# Altium PCB TIDA-010933-RevA.PcbDoc (part 5 of 9)
Units mm, origin at the board's own origin, x right, y up, seen from the top; angles counter-clockwise.
Board outline 230 x 230 mm, 4 copper layers (Top Layer, Layer 1, Layer 2, Bottom Layer), stack 1.637 mm thick; 776 components, 394 nets, 2295 pads, 2783 vias.
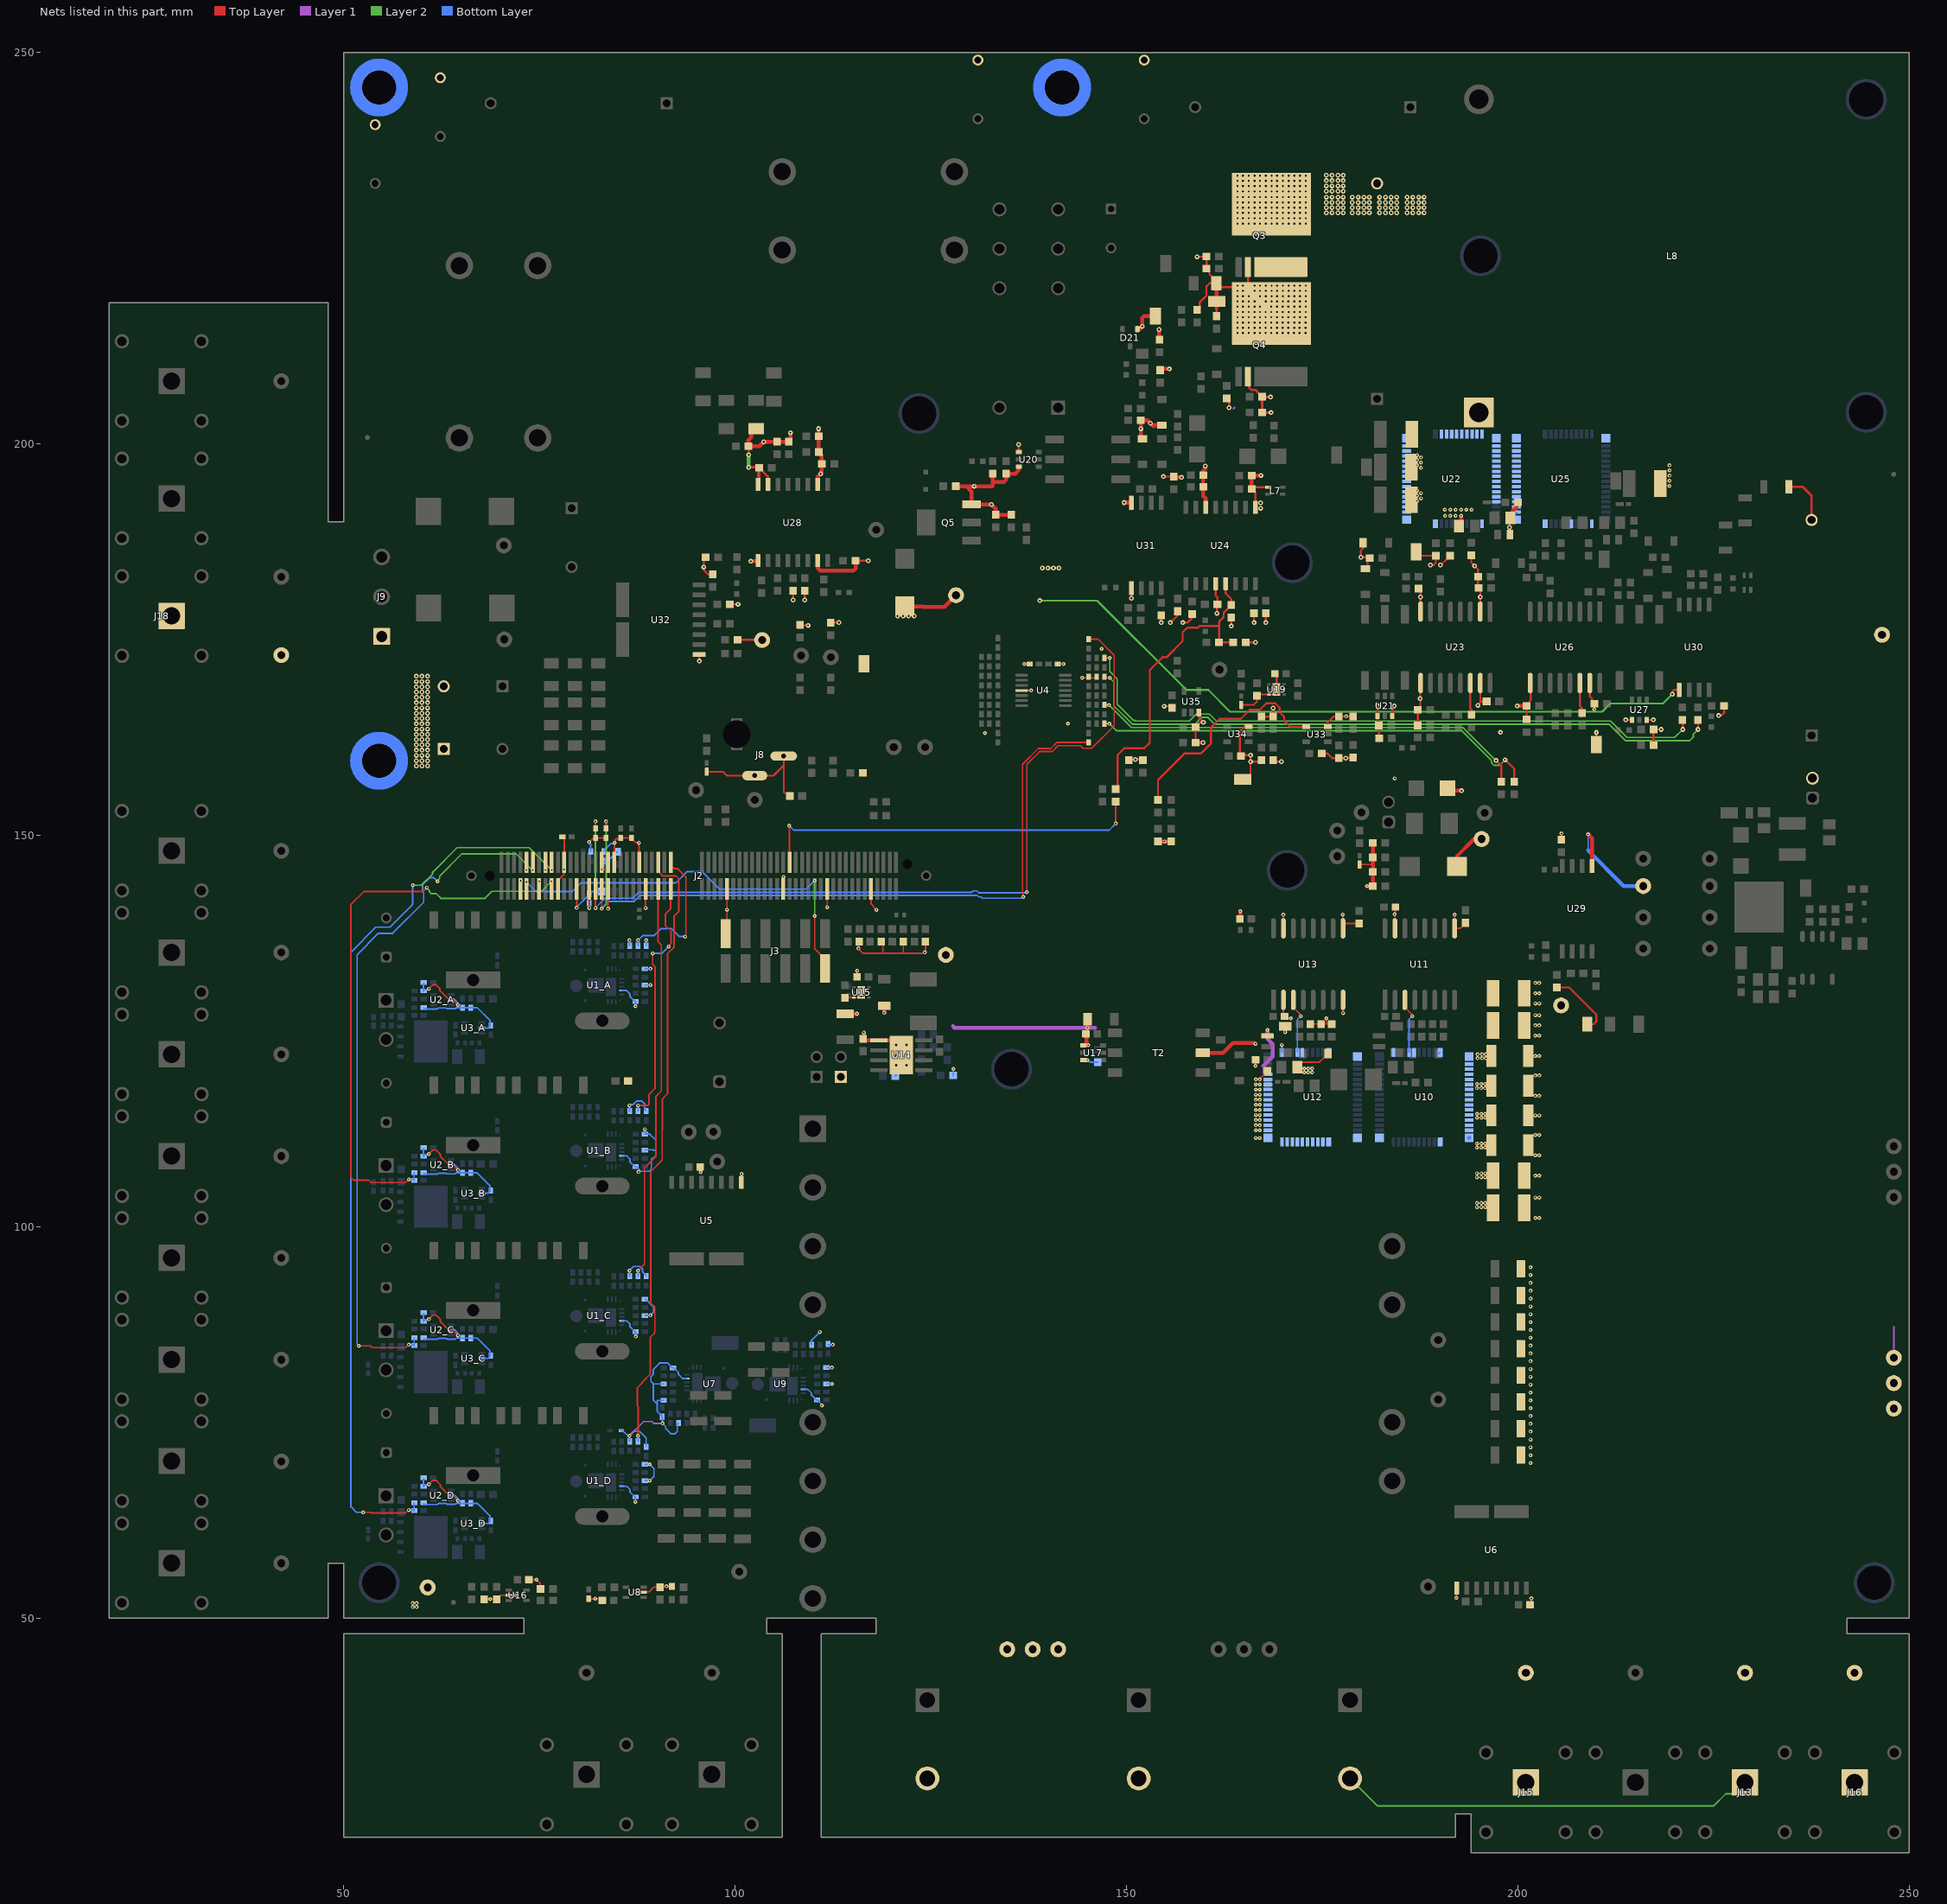
[diagram p7: the nets of this part, all layers, seen from the top]

## Via types
v1: diameter 0.5, hole 0.2, Top Layer to Bottom Layer, tented both sides, 1458 vias
v2: diameter 0.61, hole 0.254, Top Layer to Bottom Layer, tented both sides, 1311 vias
v3: diameter 0.63, hole 0.33, Top Layer to Bottom Layer, 6 vias
v4: diameter 0.5, hole 0.2, Top Layer to Bottom Layer, 4 vias
v5: diameter 0.61, hole 0.203, Top Layer to Bottom Layer, tented both sides, 4 vias

## Nets (pads, with @x,y where several pads share a name; then routed paths per layer and width w, separated by ;. In a path a pad name is that pad's centre, name@x,y a point inside that pad or via, vN(x,y) a via of type N, cw(c..) or ccw(c..) an arc to the next point about the centre after c; other vN are vias at no path point) (continued)
CS_BOOST2: C21_B.1 J2.17 R16_B.2 | length 73.4
  Top Layer w0.2: v1(58.3,106) 58.266,106 57.894,105.628 53.466,105.628 53.166,105.928 51.195,105.928 50.9,106.223 50.9,135.603 50.9,141.15 52.543,142.793 60.1,142.793 v1(60.6,143.293) ; v1(76.5,144.1) 76.521,144.079 76.521,143.143 J2.17@76.543,143.122
  Layer 2 w0.2: v1(60.6,143.293) 60.6,143.212 60.94,142.872 60.94,142.73 61.146,142.524 61.778,142.524 62.377,141.926 68.026,141.926 68.929,142.829 75.25,142.829 76.5,144.079 v1(76.5,144.1)
  Bottom Layer w0.2: v1(58.3,106) 58.8,106 R16_B.2@58.922,105.878 ; C21_B.1@58.95,106.85 58.972,106.828 R16_B.2@58.972,105.928
CS_BOOST3: C21_C.1 J2.12 R16_C.2 | length 90.1
  Top Layer w0.2: v1(51.9,84.75) 53.388,84.75 53.61,84.528 57.894,84.528 58.266,84.9 v1(58.3,84.9) ; v1(74.143,145.535) J2.12@74.143,146.522
  Layer 2 w0.2: v1(61.95,144.1) 61.95,144.181 62.233,144.464 62.233,144.767 65.066,147.6 72,147.6 74.065,145.535 v1(74.143,145.535)
  Bottom Layer w0.2: v1(51.9,84.75) 51.9,84.831 51.7,85.031 51.7,134.732 54.418,137.45 56.231,137.45 60.2,141.419 60.2,142.7 60.05,142.85 60.05,143.628 60.972,144.55 61.5,144.55 v1(61.95,144.1) ; v1(58.3,84.9) 58.8,84.9 R16_C.2@58.922,84.778 ; C21_C.1@58.95,85.75 58.972,85.728 58.972,84.828 R16_C.2@59,84.8
CS_BOOST4: C21_D.1 J2.18 R16_D.2 | length 115.3
  Top Layer w0.2: v1(52.474,63.5) 53.363,63.5 53.434,63.428 57.894,63.428 58.266,63.8 v1(58.3,63.8) ; v1(76.543,145.535) J2.18@76.543,146.522
  Layer 2 w0.2: v1(58.8,143.6) 59.878,143.6 61.333,145.055 61.333,145.267 64.466,148.4 73.678,148.4 v1(76.543,145.535)
  Bottom Layer w0.2: v1(52.474,63.5) 51.601,63.5 50.9,64.201 50.9,135.063 54.087,138.25 55.9,138.25 58.8,141.15 v1(58.8,143.6) ; v1(58.3,63.8) 58.8,63.8 R16_D.2@58.922,63.678 ; C21_D.1@58.95,64.65 58.972,64.628 58.972,63.728 R16_D.2@59,63.7
CS_CLLLC_PRI: C37.1 J2.25 R39.2 | length 6.7
  Top Layer w0.2: v1(79.743,140.712) J2.25@79.743,143.122
  Bottom Layer w0.2: v1(79.743,140.712) 79.8,140.77 79.8,140.871 80.929,142 80.954,142 81.354,142.4 C37.1@81.354,142.5 81.354,142.6 81.554,142.8 R39.2@82.943,142.8
CS_CLLLC_SEC: C38.1 J2.34 J2.36 R40.1 | length 6
  Top Layer w0.2: J2.34@82.943,146.522 v1(82.943,145.614) 83.626,145.614 83.743,145.731 J2.36@83.743,146.522
  Bottom Layer w0.2: v1(82.943,145.614) 82.943,145.695 83.2,145.952 C38.1@83.2,146.7 83.725,146.7 84.9,147.875 R40.1@84.9,147.9
DAC_COMM: J2.9 J3.11 | length 52.5
  Top Layer w0.2: v1(73.318,144.014) 73.343,143.989 J2.9@73.343,143.122 ; v1(110.139,139.676) 110.139,135.494 111.45,134.183 J3.11@111.45,132.978
  Layer 1 w0.2: v1@73.3,144 73.303,144 v1(73.318,144.014)
  Layer 2 w0.2: v1(110.139,139.676) 110.124,139.676 110.1,139.7 110.143,139.743 v1(110.143,144.2)
  Bottom Layer w0.2: v1(73.318,144.014) 74.532,142.8 79.166,142.8 80.266,143.9 92.425,143.9 93.875,145.35 95.75,145.35 98,143.1 109.043,143.1 v1(110.143,144.2)
DC_BUS_CS: C26.1 J2.33 R21.2 | length 95.1
  Top Layer w0.2: v1(82.943,140.599) J2.33@82.943,142.057 ; C26.1@83.5,150.85 v1(83.5,151.75) ; v1(136.785,142.1) 136.728,142.157 136.728,142.448 136.704,142.472 136.704,159.054 138.718,161.068 140.318,161.068 141.084,161.834 R21.2@145.164,161.834
  Layer 2 w0.2: v1(82.943,140.599) 83.5,141.156 v1(83.5,151.75)
  Bottom Layer w0.2: v1(82.943,140.599) 83.887,141.543 87.091,141.543 87.849,142.3 130.898,142.3 131.098,142.1 131.381,142.1 131.536,141.945 136.549,141.945 136.646,142.042 136.728,142.042 v1(136.785,142.1)
DC_BUS_CS+: R20.1 R158.1 | length 56.1
  Top Layer w0.2: R20.1@147.164,166.634 147.71,166.634 v1(147.744,166.6)
  Top Layer w0.254: v2(197.191,159.527) 197.865,158.853 R158.1@197.865,156.8
  Layer 2 w0.2: v1(147.744,166.6) 150.594,163.75 192.968,163.75 196.986,159.732 196.986,159.442 v2@197.046,159.382
DC_BUS_CS-: R22.1 R155.1 | length 57.2
  Top Layer w0.25: R22.1@147.164,164.234 147.791,164.234 v1(147.803,164.223)
  Top Layer w0.254: v2(198.338,159.634) 198.36,159.634 199.512,158.482 R155.1@199.512,156.8
  Layer 2 w0.2: v1(147.803,164.223) 148.675,163.35 192.803,163.35 196.586,159.566 196.586,159.276 196.941,158.922 197.625,158.922 v2(198.338,159.634)
DC_BUS_VS: C29.1 J2.31 R26.2 | length 113.4
  Top Layer w0.2: v1(82.136,140.699) 82.139,140.703 82.139,143.118 J2.31@82.143,143.122 ; C29.1@82.143,150.85 v1(82.143,151.75) ; v1(137.254,142.7) 137.254,159.038 138.884,160.668 140.484,160.668 141.25,161.434 144.095,161.434 144.429,161.1 145.554,161.1 148.394,163.94 148.394,172.984 146.344,175.034 R26.2@145.164,175.034
  Layer 2 w0.2: v1(82.136,140.699) 82.139,140.703 82.139,151.746 v1(82.143,151.75)
  Bottom Layer w0.2: v1(82.136,140.699) 83.379,141.943 86.926,141.943 87.683,142.7 130.231,142.7 130.419,142.888 130.875,142.888 131.114,142.65 137.204,142.65 v1(137.254,142.7)
DC_BUS_VS+: R25.2 R160.1 | length 83.8
  Top Layer w0.2: R25.2@147.164,170.234 147.298,170.1 v1(147.844,170.1)
  Top Layer w0.254: v2(223,163.5) R160.1@223,164.7
  Layer 2 w0.2: v1(147.844,170.1) 148.371,169.573 148.371,166.538 150.759,164.15 158.729,164.15 159.14,164.562 159.14,164.618 159.552,165.03 160.399,165.03 161.279,164.15 211.66,164.15 213.75,162.06 221.9,162.06 222.411,162.571 222.411,162.911 v2(223,163.5)
DC_BUS_VS-: R27.2 R156.1 | length 83.3
  Top Layer w0.254: R27.2@147.164,172.634 v1(147.844,172.634) ; R156.1@221,164.7 221.035,164.665 v2(221.035,163.5)
  Layer 2 w0.2: v1(147.844,172.634) 147.844,170.916 148.798,169.962 148.798,166.715 150.863,164.65 151.034,164.65 151.107,164.577 158,164.577 158.88,165.457 160.576,165.457 161.455,164.577 211.837,164.577 213.927,162.487 220.022,162.487 v2(221.035,163.5)
DCAC_E\N\A\B\L\E\: J2.86 R182.1 | length 49.9
  Top Layer w0.2: v1(106.9,151.2) 106.921,151.179 106.921,146.543 J2.86@106.943,146.522 J2.86@107,146.579 ; v1(148.6,151.475) R182.1@148.6,154.294 R182.1@148.6,154.3
  Bottom Layer w0.2: v1(106.9,151.2) 107.459,150.641 147.767,150.641 v1(148.6,151.475)
DCLINK+_HV: C49.1 C50.1 C51.1 C52.1 C88.2 C89.2 C90.2 C91.2 C171.2 C172.2 C173.2 C174.1 C175.2 C178.1 C179.2 C180.1 C181.1 J6.2 J13.1 J16.1 Q3.9 R120.2 TP11.1 TP31.1 TP32.1 TP33.1 TP34.1 TP53.1 TP56.1 TP61.1 TP62.1 U10.2 U10.3 U10.4 U10.5 U10.6 U10.7 U10.8 U10.9 U10.10 U10.11 U10.12 U10.13 U10.14 U10.15 U22.2 U22.3 U22.4 U22.5 U22.6 U22.7 U22.8 U22.9 U22.10 U22.11 U22.12 U22.13 U22.14 U22.15 | length 63.6
  Top Layer w0.305: R120.2@234.6,194.5 236.344,194.5 237.5,193.344 C172.2@237.5,190.25
  Layer 1 w0.2: TP62.1@248,83.25 248,87.25
  Layer 2 w0.2: C175.2@178.543,29.5 182.043,26 225,26 226.542,27.542 227.542,27.542 J13.1@229,29
  other v1: 194.75,102.5 195.3,102.5 195.8,102.5 194.75,103 195.3,103 195.8,103 194.75,106.3 195.3,106.3 195.8,106.3 194.75,106.8 195.3,106.8 195.8,106.8 194.75,110.1 195.3,110.1 195.8,110.1 194.75,110.6 195.3,110.6 195.8,110.6 194.75,113.9 195.3,113.9 195.8,113.9 194.75,114.4 195.3,114.4 195.8,114.4 194.75,117.7 195.3,117.7 195.8,117.7 194.75,118.2 195.3,118.2 195.8,118.2 194.85,121.5 195.4,121.5 195.9,121.5 194.85,122 195.4,122 195.9,122 187.106,192.7 187.614,193.03 187.106,193.35 187.614,193.68 187.106,194 219.355,194.615 219.355,195.265 219.355,195.915 219.355,196.586 187.614,196.93 219.355,197.236 187.106,197.25 187.614,197.58 187.106,197.9 187.614,198.23 187.106,198.55
  other v2: 164.163,228.129 164.86,228.129 165.597,228.129 166.345,228.129 167.043,228.129 167.78,228.129 168.527,228.129 169.225,228.129 169.962,228.129 170.709,228.129 171.407,228.129 172.144,228.129 172.891,228.129 164.163,228.803 164.86,228.803 165.597,228.803 166.345,228.803 167.043,228.803 167.78,228.803 168.527,228.803 169.225,228.803 169.962,228.803 170.709,228.803 171.407,228.803 172.144,228.803 172.891,228.803 164.163,229.477 164.86,229.477 165.597,229.477 166.345,229.477 167.043,229.477 167.78,229.477 168.527,229.477 169.225,229.477 169.962,229.477 170.709,229.477 171.407,229.477 172.144,229.477 172.891,229.477 175.497,229.477 176.244,229.477 176.981,229.477 177.679,229.477 178.818,229.477 179.565,229.477 180.302,229.477 181,229.477 182.318,229.477 183.065,229.477 183.802,229.477 184.5,229.477 185.818,229.477 186.565,229.477 187.302,229.477 188,229.477 164.163,230.152 164.86,230.152 165.597,230.152 166.345,230.152 167.043,230.152 167.78,230.152 168.527,230.152 169.225,230.152 169.962,230.152 170.709,230.152 171.407,230.152 172.144,230.152 172.891,230.152 175.497,230.152 176.244,230.152 176.981,230.152 177.679,230.152 178.818,230.152 179.565,230.152 180.302,230.152 181,230.152 182.318,230.152 183.065,230.152 183.802,230.152 184.5,230.152 185.818,230.152 186.565,230.152 187.302,230.152 188,230.152 164.163,230.826 164.86,230.826 165.597,230.826 166.345,230.826 167.043,230.826 167.78,230.826 168.527,230.826 169.225,230.826 169.962,230.826 170.709,230.826 171.407,230.826 172.144,230.826 172.891,230.826 175.497,230.826 176.244,230.826 176.981,230.826 177.679,230.826 178.818,230.826 179.565,230.826 180.302,230.826 181,230.826 182.318,230.826 183.065,230.826 183.802,230.826 184.5,230.826 185.818,230.826 186.565,230.826 187.302,230.826 188,230.826 164.163,231.5 164.86,231.5 165.597,231.5 166.345,231.5 167.043,231.5 167.78,231.5 168.527,231.5 169.225,231.5 169.962,231.5 170.709,231.5 171.407,231.5 172.144,231.5 172.891,231.5 175.497,231.5 176.244,231.5 176.981,231.5 177.679,231.5 178.818,231.5 179.565,231.5 180.302,231.5 181,231.5 182.318,231.5 183.065,231.5 183.802,231.5 184.5,231.5 185.818,231.5 186.565,231.5 187.302,231.5 188,231.5 164.163,232.227 164.86,232.227 165.597,232.227 166.345,232.227 167.043,232.227 167.78,232.227 168.527,232.227 169.225,232.227 169.962,232.227 170.709,232.227 171.407,232.227 172.144,232.227 172.891,232.227 175.497,232.265 176.244,232.265 176.981,232.265 177.679,232.265 164.163,232.902 164.86,232.902 165.597,232.902 166.345,232.902 167.043,232.902 167.78,232.902 168.527,232.902 169.225,232.902 169.962,232.902 170.709,232.902 171.407,232.902 172.144,232.902 172.891,232.902 175.497,232.939 176.244,232.939 176.981,232.939 177.679,232.939 164.163,233.576 164.86,233.576 165.597,233.576 166.345,233.576 167.043,233.576 167.78,233.576 168.527,233.576 169.225,233.576 169.962,233.576 170.709,233.576 171.407,233.576 172.144,233.576 172.891,233.576 175.497,233.613 176.244,233.613 176.981,233.613 177.679,233.613 164.163,234.25 164.86,234.25 165.597,234.25 166.345,234.25 167.043,234.25 167.78,234.25 168.527,234.25 169.225,234.25 169.962,234.25 170.709,234.25 171.407,234.25 172.144,234.25 172.891,234.25 175.497,234.287 176.244,234.287 176.981,234.287 177.679,234.287
E\N\A\B\L\E: C148.1 R105.1 R107.2 R182.2 U24.5 | length 40.6
  Top Layer w0.254: R182.2@148.6,155.894 148.846,156.14 148.846,160.235 149.711,161.1 152.25,161.1 152.946,161.796 152.946,171.088 154.59,172.732 155.106,172.732 157.155,174.782 157.155,175.929 157.513,176.286 157.538,176.286 157.752,176.5 159.117,176.5 159.326,176.71 161.79,176.71 161.801,176.699 ; U24.5@162.635,182.125 162.635,180.895 163.36,180.17 C148.1@163.36,179.397 163.36,179.372 162.406,178.418 162.406,177.84 161.801,177.234 161.801,176.699 ; R107.2@163.63,174.624 R105.1@161.801,174.624 161.801,176.699
F\A\U\L\T\_\G\a\N\: R180.1 U33.4 | length 28.6
  Top Layer w0.254: R180.1@154,154.5 154,157.038 157.383,160.421 159.483,160.421 160.782,161.72 160.782,163.763 161.864,164.845 164.573,164.845 165.727,166 167,166 167.849,166.849 168.984,166.849 169.553,166.28 169.553,165.669 170.122,165.1 170.122,164.633 170.914,163.842 U33.4@172.926,163.842
F\A\U\L\T\_\H\S\_\G\a\N\: R168.1 U23.14 | length 4.1
  Top Layer w0.254: U23.14@193.905,169.434 193.905,166.152 194.07,165.987 R168.1@194.07,165.392
F\A\U\L\T\_\L\S\_\G\a\N\: R173.1 U26.14 | length 4.4
  Top Layer w0.254: U26.14@207.905,169.434 207.905,167.027 207.905,166.477 208.169,166.213 R173.1@208.169,165.1
FAULT_H: U10.46 U11.3 | length 7.3
  Top Layer w0.2: U11.3@185.546,128.96 185.546,128.008 186.443,127.11 186.443,126.957 v1(186.501,126.9)
  Layer 1 w0.2: v1(186.501,126.9) v1@186.501,126.95
  Bottom Layer w0.2: U10.46@186.061,122.25 186.061,126.46 v1(186.501,126.9)
FAULT_L: U12.46 U13.3 | length 7.3
  Top Layer w0.2: U13.3@171.296,128.96 171.296,128.008 172.193,127.11 172.193,126.957 v1(172.251,126.9)
  Bottom Layer w0.2: U12.46@171.811,122.25 171.811,126.46 v1(172.251,126.9)
GAN_NC1: U10.1
GAN_NC2: U10.16 | length 0.1
  Bottom Layer w0.5: U10.16@193.751,111.325 U10.16@193.8,111.374
GAN_NC3: U10.17
GAN_NC4: U10.27
GAN_NC5: U10.43
GAN_NC6: U10.47
GAN_NC7: U10.52 | length 0.2
  Bottom Layer w0.2: U10.52@189.857,122.057 U10.52@190,122.2
GAN_NC8: U12.1
GAN_NC9: U12.16
GAN_NC10: U12.17
GAN_NC11: U12.43 | length 1.1
  Top Layer w0.2: v1(169.813,123.201) 169.838,123.176 v1@169.838,123.096
  Bottom Layer w0.2: v1(169.813,123.201) 169.837,123.177 169.837,122.274 U12.43@169.861,122.25
GAN_NC12: U12.47
GAN_NC13: U12.52
GAN_NC14: U12.27
GAN_NC20: U22.1
GAN_NC21: U22.16
GAN_NC22: U22.27
GAN_NC23: U25.1
GAN_NC24: U25.16
GAN_NC25: U25.27
GAN_NC26: U22.43
GAN_NC27: U22.47
GAN_NC28: U22.52
GAN_NC29: U25.43
GAN_NC30: U25.47
GAN_NC31: U25.52
GND: C1.2 C6_A.2 C6_B.2 C6_C.2 C6_D.2 C10_A.2 C10_B.2 C10_C.2 C10_D.2 C16_A.2 C16_B.2 C16_C.2 C16_D.2 C17_A.2 C17_B.2 C17_C.2 C17_D.2 C18_A.2 C18_B.2 C18_C.2 C18_D.2 C19_A.2 C19_B.2 C19_C.2 C19_D.2 C20_A.2 C20_B.2 C20_C.2 C20_D.2 C21_A.2 C21_B.2 C21_C.2 C21_D.2 C23.2 C24.2 C26.2 C28.1 C29.2 C32.2 C35.2 C37.2 C38.2 C43.2 C44.2 C45.2 C46.2 C48.2 C53.2 C54.2 C55.2 C72.2 C77.2 C79.2 C82.2 C84.2 C85.2 C95.2 C96.2 C99.2 C100.1 C101.2 C103.2 C104.1 C105.2 C108.2 C109.2 C110.2 C111.2 C113.2 C114.2 C115.2 C116.2 C117.2 C120.1 C121.2 C124.2 C125.2 C129.2 C130.2 C135.2 C141.2 C143.2 C144.2 C146.2 C148.2 C149.2 C154.2 C158.2 C164.2 C165.2 C192.1 C194.1 C196.2 C197.2 C198.2 C199.2 C200.2 C201.2 C202.2 C203.2 C204.2 C205.2 C206.2 C207.2 C208.2 C209.2 C210.2 C211.2 C212.2 C213.2 C214.2 C215.2 C216.2 C217.2 C218.2 C219.2 C220.2 C221.1 D9.2 D12.1 D13.1 D14.1 J2.7 J2.10 J2.13 J2.16 J2.19 J2.22 J2.29 J2.35 J2.38 J2.46 J2.47 J2.65 J2.83 J2.97 J2.111 J3.2 J5.1 J8.2 J8.3 Q5.3 R1.1 R3.2 R11_A.1 R11_B.1 R11_C.1 R11_D.1 R13_A.1 R13_B.1 R13_C.1 R13_D.1 R15_A.1 R15_B.1 R15_C.1 R15_D.1 R24.2 R45.1 R47.1 R49.1 R53.1 R55.1 R69.1 R70.1 R73.2 R76.1 R77.1 R78.1 R100.1 R102.1 R103.1 R104.1 R107.1 R117.1 R147.2 R157.1 R175.1 R176.1 R177.1 R178.1 R179.1 TP3.1 TP4.1 TP18.1 TP21.1 TP43.1 TP44.1 TP45.1 TP46.1 TP47.1 U1_A.15 U1_B.15 U1_C.15 U1_D.15 U2_A.2 U2_B.2 U2_C.2 U2_D.2 U3_A.2 U3_B.2 U3_C.2 U3_D.2 U4.11 U5.3 U6.3 U7.15 U8.2 U9.15 U11.9 U11.15 U13.9 U13.15 U14.1 U14.9 U15.3 U15.7@116.1,129.9 U16.2 U17.4 U17.6 U19.3 U19.7@169.147,168.613 U20.4 U20.6 U21.4 U21.6 U23.9 U23.15 U24.4 U26.9 U26.15 U27.4 U27.6 U28.9 U28.15 U29.5 U30.5 U31.5 U32.3 U33.3 U34.3 U35.3 | length 563.6
  Top Layer w0.2: v1(60.87,67.063) 60.87,67.097 61.34,67.567 61.796,67.567 62.302,67.061 62.302,66.81 63.178,65.934 63.641,65.934 v1(64.575,65) ; v1(60.87,88.163) 60.87,88.197 61.34,88.667 61.796,88.667 62.302,88.161 62.302,87.91 63.282,86.93 63.745,86.93 v1(64.575,86.1) ; v1(60.87,109.263) 60.87,109.297 61.34,109.767 61.796,109.767 62.302,109.261 62.302,109.01 63.178,108.134 63.641,108.134 v1(64.575,107.2) ; v1(60.87,130.363) 60.87,130.397 61.34,130.867 61.796,130.867 62.245,130.418 62.245,130.167 63.262,129.15 63.725,129.15 v1(64.575,128.3) ; R73.2@67.9,52.4 v1(68.7,52.4) C111.2@69.5,52.4 70,52.9 U16.2@71.075,52.9 v1(71.9,52.9) ; J2.7@72.543,143.122 72.543,144.129 v1(72.6,144.186) ; v1(73.294,145.528) 73.318,145.553 73.318,146.497 J2.10@73.343,146.522 ; C108.2@73.627,54.9 v1(74.6,54.9) 75.1,54.4 C109.2@75.1,53.7 ; J2.13@74.943,143.122 v1(74.943,144.1) ; v1(75.743,145.535) J2.16@75.743,146.522 ; J2.19@77.343,143.122 77.343,144.193 78.112,144.962 v1(78.112,145.614) 78.143,145.645 J2.22@78.143,146.522 78.143,149.6 77.943,149.8 C110.2@77.9,149.8 ; C53.2@81.3,52.45 82.093,52.45 v1(82.11,52.467) 82.796,52.467 C43.2@83.013,52.25 ; J2.29@81.343,143.122 81.348,143.117 81.348,140.704 v1(81.354,140.699) ; v1(81.343,149.096) 81.75,149.503 81.75,149.533 82.026,149.533 C29.2@82.143,149.65 C26.2@83.5,149.65 ; v1(83.743,140.599) J2.35@83.743,143.122 ; J2.38@84.543,146.522 84.571,146.551 84.571,148.971 v1(84.6,149) 84.657,149.057 84.657,149.44 84.75,149.533 85.226,149.533 C35.2@85.343,149.65 C32.2@86.75,149.65 86.75,149.55 87.243,149.057 87.643,149.057 v1(87.7,149) 87.721,148.979 87.721,146.543 J2.46@87.743,146.522 ; U8.2@88.285,53.277 88.364,53.356 89.01,53.356 89.604,53.95 C48.2@90.4,53.95 90.5,54.05 v1(91.2,54.05) R45.1@91.9,54.05 ; v1(88.543,140.7) J2.47@88.543,143.122 ; C44.2@95.527,107.6 95.569,107.558 v1(95.569,106.925) ; J3.2@98.75,137.423 98.943,137.615 J2.65@98.943,143.122 ; U5.3@100.785,105.65 100.792,105.657 100.792,106.692 v1(100.8,106.7) ; J2.83@106.143,143.122 106.173,143.152 v1(106.173,144.668) ; 106.193,158.923 106.193,155.476 106.31,155.359 106.591,155.359 C220.2@106.95,155 ; v1(111.743,140.8) J2.97@111.743,143.122 ; C105.2@114,129.2 114.05,129.25 U15.3@115.125,129.25 116,129.25 v4(116.1,129.35) ; v1(115.57,132.661) 115.573,132.657 C104.1@115.573,131.9 ; C85.2@115.814,136.4 115.743,136.329 v1(115.743,135.526) 115.743,135.463 116.287,134.919 118.753,134.919 ; J2.111@117.343,143.122 117.343,141.248 117.593,140.998 117.593,140.874 117.988,140.479 v1(118.038,140.479) ; C84.2@118.643,136.4 118.87,136.173 118.87,135.036 118.753,134.919 ; U14.9@119.845,123.805 U14.9@121.22,122.43 ; U14.9@120.32,121 U14.9@121.22,121.9 ; C95.2@121.471,136.4 121.471,134.919 ; C96.2@124.3,136.4 124.3,135.119 v1(124.2,135.019) 124.1,134.919 121.471,134.919 ; U4.11@136.564,168.484 v1(137.8,168.484) ; v1(136.9,171.863) C24.2@137.6,171.863 ; C23.2@141.2,171.863 v1@141.923,171.863 ; v1(144.3,170.1) 146.03,170.1 R24.2@146.164,170.234 ; TP45.1@164.847,157.139 165.226,157.139 165.826,157.739 v2(165.826,159.399) ; v1(170.013,139.821) 170.013,138.103 U13.15@170.026,138.09 ; v1(177.6,139.858) 177.623,139.835 177.623,138.113 U13.9@177.646,138.09 177.646,138.505 177.841,138.7 C219.2@179.7,138.7 ; D12.1@179.767,146.258 181.342,146.258 181.4,146.2 ; U11.15@184.276,138.09 184.276,139.83 v1(184.226,139.88) 184.226,139.961 184.327,140.062 C99.2@184.327,140.8 ; v1(191.9,139.835) 191.898,139.833 191.898,138.093 U11.9@191.896,138.09 192.615,138.09 193.3,138.775 C218.2@193.3,138.8 ; v1(192.106,52.577) 192.155,52.625 U6.3@192.155,53.825 ; C45.2@201.527,51.7 201.7,51.873 v1(201.7,52.5) ; C197.2@205.55,149.4 v1(205.55,150.2) ; v1(209.749,166.069) 209.753,166.073 C154.2@209.753,166.801 ; TP47.1@210.011,161.586 v5(210.011,163.113) ; 118.753,134.919 121.471,134.919
  Top Layer w0.254: U32.3@95.375,173.055 95.375,172.245 v2(95.395,172.225) ; R147.2@96.2,185.5 95.983,185.283 95.983,183.864 96.546,183.3 C196.2@97,183.3 ; D14.1@96.36,158.097 98.445,158.097 98.943,157.6 J8.2@102.493,157.6 104.869,157.6 106.193,158.923 J8.3@106.193,160.1 ; C192.1@99.3,179.5 v2(100.349,179.5) ; C194.1@100.3,174.96 103.385,174.96 TP43.1@103.425,174.92 ; v2(107.379,180.04) C205.2@107.379,181.2 ; C202.2@108.296,176.732 108.36,176.796 v2(109.295,176.796) ; v2(108.879,180.04) C204.2@108.879,181.2 ; C203.2@112.196,177.152 v2(113.255,177.152) ; C201.2@115.379,185.066 v2(117,185.066) ; v2(136.207,199.914) 136.207,198.968 U20.4@136.225,198.95 ; R103.1@150.291,159.6 150.355,159.664 v2(151.107,159.664) 152.009,159.664 R102.1@152.072,159.6 ; v2(150.595,180.26) U31.5@150.595,181.55 ; C199.2@154.405,178.064 154.405,177.141 v2(154.41,177.136) ; v2(154.785,166.475) 155.57,166.475 C215.2@155.793,166.252 ; v2(155.58,177.136) 156.463,178.02 156.5,178.02 C144.2@156.5,178.597 ; v2(157.155,177.136) 157.758,177.136 158.37,177.749 C143.2@158.37,178.234 ; C208.2@158.808,161.821 R175.1@158.808,163.821 159.412,164.425 v2(159.803,164.425) 159.243,164.984 U35.3@159.243,165.677 ; U24.4@161.365,182.125 161.365,180.602 161.593,180.374 C149.2@161.593,179.46 161.553,179.42 v2(161.553,178.345) ; v2(163.36,176.699) C148.2@163.36,177.797 ; D13.1@164.647,166.643 166.227,166.643 166.647,167.063 C121.2@166.647,167.813 166.797,167.963 U19.7@168.747,167.983 ; R107.1@165.23,174.624 v2(166.445,174.624) ; U34.3@165.58,163.849 165.08,163.849 164.455,163.224 164.455,160.296 C214.2@164.628,160.124 164.733,160.229 v2(165.826,160.229) v2(165.826,159.399) 167.005,159.399 R178.1@167.205,159.599 ; R104.1@166.265,178.345 166.266,178.344 v2(166.266,177.141) ; C211.2@167.205,165.142 R179.1@168.705,165.142 168.722,165.159 v2(168.722,166.217) ; v2(167.765,177.141) C146.2@167.765,178.345 ; C212.2@168.705,159.599 168.906,159.399 v2(169.75,159.399) ; C120.1@168.92,170.613 169.147,170.386 v4(169.147,169.163) ; C213.2@174.932,160.421 175.662,160.421 176.25,159.832 176.856,159.832 C210.2@176.92,159.896 ; U33.3@175.676,163.842 175.676,164.401 176.442,165.167 C209.2@177.124,165.167 v1(178.022,165.167) R177.1@178.92,165.167 ; C210.2@177.124,159.863 177.155,159.832 v2(178,159.832) 178.064,159.896 R176.1@178.92,159.896 ; v2(182.023,166.54) 182.023,165.252 U21.4@182.05,165.225 ; U21.4@182.05,165.078 182.05,164.575 182.2,164.425 C130.2@182.2,164 182.245,163.955 C129.2@182.245,162.371 ; U21.6@183.95,165.225 183.95,165.978 184.129,166.157 184.129,166.425 v2(184.197,166.493) ; C141.2@187.2,164 R100.1@187.2,166 187.506,166.306 187.506,169.386 U23.9@187.555,169.434 ; C116.2@192.025,146 C116.2@192.119,146.094 ; v2(194.893,166.583) 194.893,166.68 195.175,166.962 ; U23.15@195.175,169.434 195.175,166.962 ; C135.2@195.988,167.083 195.296,167.083 195.175,166.962 ; C158.2@201.097,164.795 R117.1@201.097,166.5 201.097,166.701 201.621,167.225 201.621,169.368 U26.9@201.555,169.434 ; U26.15@209.175,169.434 209.175,167.727 209.451,167.452 209.451,166.853 C154.2@209.503,166.801 ; v2(213.75,164.725) U27.4@214.55,164.725 ; U27.6@216.45,164.725 v2(217.3,164.725) ; C165.2@217.3,161.5 C164.2@217.3,163.5 v2(218.275,163.5) ; v2(219.703,168) 219.744,168.04 219.744,168.381 219.913,168.55 U30.5@220.595,168.55 ; v2(225.625,165.277) 225.645,165.297 226.006,165.297 226.361,165.651 226.361,166.439 C198.2@226.3,166.5
  Top Layer w0.5: v2(101.97,184.975) 102.819,184.975 U28.9@102.909,185.066 ; U28.15@110.529,185.066 110.529,184.116 110.872,183.773 115.087,183.773 115.379,184.066 C201.2@115.379,185.066 ; C100.1@114.12,127.155 114.143,127.178 v1(115.563,127.178) ; v1(116.42,124.8) 116.42,124 116.615,123.805 U14.1@118.345,123.805 U14.9@119.845,123.805 ; v1(119.02,127.3) C103.2@119.02,128.2 ; C207.2@121.428,179.039 C207.2@121.642,179.254 ; C207.2@122.3,179.2 123.961,179.2 124,179.161 126.722,179.161 TP44.1@128.208,180.647 ; C206.2@128.175,194.575 129.5,194.575 ; C124.2@132.876,196.168 132.876,195.125 ; R157.1@135.283,190.929 C200.2@133.283,190.929 133.283,191.679 v2(132.721,192.241) Q5.3@130.188,192.241 130.188,193.887 129.5,194.575 ; U20.6@136.225,197.05 136.225,196.648 135.745,196.168 C125.2@134.623,196.168 134.623,195.418 134.33,195.125 132.876,195.125 ; U17.6@144.345,121.25 U17.6@144.445,121.25 v1(144.983,121.25) ; U17.4@144.445,123.15 144.457,123.162 v1(145.094,123.162) 144.862,123.394 144.862,124.669 144.983,124.79 v1(144.983,125.4) 144.983,126.463 C113.2@145.02,126.5 ; C216.2@154,149.2 v1(154.85,149.2) C217.2@155.7,149.2 ; C208.2@158.808,161.821 v2(159.768,161.821) ; C82.2@164.473,139.3 164.5,139.327 v1(164.5,140.285) ; v1(180.7,143.5) C117.2@181.45,143.5 R76.1@181.45,145.332 R77.1@181.45,147.166 R78.1@181.45,149 ; D9.2@191.33,155.67 v2(192.772,155.67) ; C116.2@192.213,146 192.213,147.33 194.389,149.506 TP21.1@195.344,149.506 ; v2(199.88,166.525) 201.072,166.525 R117.1@201.097,166.5 ; v1(208.95,150.1) 209.455,149.595 U29.5@209.455,146.05 ; 129.5,194.575 v2(130.535,194.575) 132.819,194.575 132.876,194.633 132.876,195.125
  Layer 1 w0.2: v1(73.294,145.528) v1@73.3,145.535 ; v1(78.112,145.614) 78.122,145.614 v1@78.143,145.635 ; v1(86.486,73.266) 88.32,75.1 89.348,75.1 89.584,74.863 v1(90.693,74.863)
  Layer 1 w0.5: 127.8,125.6 128,125.4 145.983,125.4
  Layer 2 w0.25: v2(138.923,179.951) 146.236,179.951 157.647,168.54 160.432,168.54 163.197,165.775 210.758,165.775 211.783,166.801 218.504,166.801 v2(219.703,168)
  Bottom Layer w0.2: C17_D.2@60.15,66.75 60.15,67.675 C6_D.2@60.25,67.775 ; C17_C.2@60.15,87.85 60.15,88.775 C6_C.2@60.25,88.875 ; C17_B.2@60.15,108.95 60.15,109.875 C6_B.2@60.25,109.975 ; C17_A.2@60.15,130.05 60.15,130.975 C6_A.2@60.25,131.075 ; C21_D.2@60.2,64.6 60.3,64.5 61.945,64.5 62.07,64.625 63.08,64.625 63.18,64.525 64.225,64.525 64.3,64.6 ; C17_D.2@60.2,66.8 60.4,67 v1@60.726,67 ; C21_C.2@60.2,85.7 60.3,85.6 61.945,85.6 62.07,85.725 63.08,85.725 63.18,85.625 64.225,85.625 64.3,85.7 ; C17_C.2@60.2,87.9 60.4,88.1 v1@60.726,88.1 ; C21_B.2@60.2,106.8 60.3,106.7 61.945,106.7 62.07,106.825 63.08,106.825 63.18,106.725 64.225,106.725 64.3,106.8 ; C17_B.2@60.2,109 60.4,109.2 v1@60.726,109.2 ; C21_A.2@60.2,127.9 60.3,127.8 61.945,127.8 62.07,127.925 63.08,127.925 63.18,127.825 64.225,127.825 64.3,127.9 ; C17_A.2@60.2,130.1 60.4,130.3 v1@60.726,130.3 ; U2_D.2@63.7,65.675 64.17,65.675 64.518,65.327 64.518,65.057 v1(64.575,65) 64.565,64.99 64.565,64.65 ; U2_C.2@63.7,86.775 64.17,86.775 64.518,86.427 64.518,86.157 v1(64.575,86.1) 64.565,86.09 64.565,85.75 ; U2_B.2@63.7,107.875 64.17,107.875 64.518,107.527 64.518,107.257 v1(64.575,107.2) 64.565,107.19 64.565,106.85 ; U2_A.2@63.7,128.975 64.17,128.975 64.518,128.627 64.518,128.357 v1(64.575,128.3) 64.565,128.29 64.565,127.95 ; 64.345,64.65 64.565,64.65 ; 64.345,85.75 64.565,85.75 ; 64.345,106.85 64.565,106.85 ; 64.345,127.95 64.565,127.95 ; U3_D.2@67.525,62.065 68.44,62.065 68.675,62.3 68.675,63 67.025,64.65 R11_D.1@66.225,64.65 C16_D.2@65.175,64.65 64.565,64.65 ; U3_C.2@67.525,83.165 68.44,83.165 68.675,83.4 68.675,84.1 67.025,85.75 R11_C.1@66.225,85.75 C16_C.2@65.175,85.75 64.565,85.75 ; U3_B.2@67.525,104.265 68.44,104.265 68.675,104.5 68.675,105.2 67.025,106.85 R11_B.1@66.225,106.85 C16_B.2@65.175,106.85 64.565,106.85 ; U3_A.2@67.525,125.365 68.44,125.365 68.675,125.6 68.675,126.3 67.025,127.95 R11_A.1@66.225,127.95 C16_A.2@65.175,127.95 64.565,127.95 ; v1(81.343,149.096) 81.343,149.015 81.543,148.815 C1.2@81.543,147.9 ; v1(81.354,140.699) C37.2@81.354,141.3 ; C38.2@83.2,147.9 83.2,148 84.143,148.943 84.543,148.943 v1(84.6,149) ; R3.2@85.46,73.95 85.595,73.95 86.222,73.323 ; U1_D.15@85.495,66.847 85.52,66.822 86.144,66.822 86.553,66.414 86.553,66.074 87.161,65.466 C10_D.2@87.261,65.466 87.25,65.455 v1(87.25,64.85) ; U1_C.15@85.495,87.947 86.119,87.947 86.561,87.506 86.561,87.166 87.161,86.566 C10_C.2@87.261,86.566 87.275,86.552 v1(87.275,85.95) ; U1_B.15@85.495,109.047 86.119,109.047 86.54,108.627 86.54,108.287 87.161,107.666 C10_B.2@87.261,107.666 87.361,107.666 87.761,107.266 87.761,107.242 ; U1_A.15@85.495,130.147 86.119,130.147 86.561,129.706 86.561,129.366 87.161,128.766 C10_A.2@87.261,128.766 v1(87.261,128.15) ; v1(86.486,115.466) 86.486,114.791 C18_B.2@86.511,114.766 ; v1(86.486,136.566) 86.486,135.891 C18_A.2@86.511,135.866 ; C18_D.2@86.511,72.566 86.486,72.591 v1(86.486,73.266) 87.036,73.816 87.813,73.816 88.611,73.019 R13_D.1@88.611,71.866 ; C18_C.2@86.511,93.666 86.486,93.691 v1(86.486,94.366) 87.036,94.916 87.813,94.916 88.136,94.594 88.136,94.241 88.611,93.766 R13_C.1@88.611,93.666 ; v1@86.6,115.6 86.942,115.6 87.358,116.016 88.084,116.016 88.411,115.689 88.411,114.966 R13_B.1@88.611,114.766 ; v1(87.636,106.989) 87.709,107.061 88.561,107.061 88.566,107.066 88.985,107.066 89.276,107.357 89.276,108.601 89.393,108.718 89.504,108.718 89.826,109.04 89.826,109.741 ; C20_D.2@88.461,67.541 88.47,67.55 v1(89.061,67.55) 89.604,68.093 89.604,69.079 89.1,69.583 v1@89.1,69.7 ; R15_D.1@88.461,69.616 89.054,69.616 v1(89.061,69.622) ; C20_C.2@88.461,88.641 88.47,88.65 v1(89.161,88.65) 89.576,89.066 89.576,89.7 88.561,90.716 R15_C.1@88.461,90.716 ; C20_B.2@88.461,109.741 88.538,109.818 89.504,109.818 89.581,109.741 89.826,109.741 ; C20_A.2@88.461,130.841 88.47,130.85 v1(89.161,130.85) ; R15_A.1@88.461,132.916 89.154,132.916 v1(89.161,132.922) ; v1(88.47,112.427) 88.47,111.825 R15_B.1@88.461,111.816 89.072,111.816 89.826,111.062 89.826,109.741 ; R13_A.1@88.611,135.866 v1(88.611,136.566) ; 89.543,79.803 89.543,77.822 90.043,77.322 ; C55.2@90.843,79.9 89.54,79.9 89.218,80.222 89.218,80.841 89.543,81.166 89.543,81.785 90.319,82.561 91.368,82.561 91.543,82.385 91.543,82.361 91.943,81.961 C46.2@92.043,81.961 ; R49.1@90.85,77.822 90.828,77.8 90.1,77.8 90.043,77.743 90.043,77.322 ; C46.2@92.143,81.961 92.743,81.361 92.743,81.091 93.243,80.591 U7.15@93.815,80.591 ; C54.2@92.743,74.9 92.593,74.75 92.593,73.83 92.271,73.508 91.816,73.508 91.093,74.23 91.093,74.463 v1(90.693,74.863) 90.693,75.65 R47.1@90.643,75.7 90.643,75.8 90.243,76.2 90.219,76.2 90.043,76.376 90.043,77.322 ; U9.15@108.678,79.209 109.25,79.209 109.75,78.709 109.75,78.439 110.35,77.839 C72.2@110.45,77.839 110.55,77.839 110.75,77.639 110.75,77.55 111.009,77.292 111.009,77.186 v1(111.066,77.129) ; C77.2@109.75,84.9 109.75,85.484 v1(110.8,86.534) ; R55.1@111.643,81.978 v1(112.328,81.978) ; C79.2@111.65,79.9 v1(112.35,79.9) ; R53.1@111.85,84.9 v1(112.45,84.9) ; v1@117.814,140.479 v1(118.038,140.479) ; R70.1@120.42,119.2 120.57,119.35 v3(120.57,120.6) ; R69.1@127.82,119.3 127.863,119.343 v1(127.863,120.142) ; v1(144.983,121.25) 145.064,121.25 145.314,121 C115.2@146.32,121 ; 208.95,148.05 v1(208.95,150.1)
  Bottom Layer w0.5: v1@144.983,121.238 v1(144.983,121.25) ; 208.95,148.05 213.5,143.5 TP18.1@216,143.5
  other v1: 58.795,51.4 59.295,51.4 58.795,51.9 59.295,51.9 98.943,140.473 184.25,157.25 131.9,163.034 142.5,164.25 141.923,171.862 146.8,173.8
  other v2: 187.506,167.46 120.725,177.979 121.439,177.979 122.153,177.979 122.867,177.979 139.218,184.112 139.932,184.112 140.646,184.112 141.361,184.112 95.983,184.25
  other v3: 121.87,120.6 120.57,121.9 121.87,121.9 120.57,123.2 121.87,123.2
  other v4: 116.1,130.45 169.147,168.063
  other v5: 197.763,163.128
GND_HS_GaN: C128.2 C131.2 C133.1 C134.2 C136.1 C139.2 C142.2 C147.2 D20.2 D22.2 L5.1 L8.1 R99.2 R101.1 TP63.1 U22.18 U22.19 U22.20 U22.21 U22.22 U22.23 U22.24 U22.25 U22.26 U22.28 U22.29 U22.30 U22.31 U22.32 U22.33 U22.34 U22.35 U22.36 U22.37 U22.38 U22.39 U23.2 U23.8 U25.2 U25.3 U25.4 U25.5 U25.6 U25.7 U25.8 U25.9 U25.10 U25.11 U25.12 U25.13 U25.14 U25.15 | length 27.5
  Top Layer w0.254: D20.2@180.212,187.365 180.212,186.679 179.923,186.39 v2(179.923,185.5) 181.049,185.5 180.778,185.229 180.778,184.415 D22.2@180.5,184.137 ; TP63.1@187,186.2 187.5,185.7 C136.1@189.5,185.7 189.5,184.77 189.23,184.5 v2(188.8,184.5) ; C131.2@187.3,181.5 187.555,181.245 v2(187.555,180.436) U23.8@187.555,178.565 ; v2(190.095,184.5) 190.141,184.5 191.2,185.559 R99.2@191.2,185.7 ; C139.2@194.024,185.765 194.024,184.824 v2(194.458,184.389) 194.893,183.955 194.893,181.637 C134.2@194.965,181.565 195.175,181.355 v2(195.175,180.436) U23.2@195.175,178.565 ; L5.1@198.951,188.487 198.926,188.512 198.926,189.274 v2(198.9,189.3) 198.9,190.384 C142.2@199.016,190.5
  Top Layer w0.5: C133.1@192.449,189.447 192.708,189.707 v1(192.708,190.8) ; C142.2@199.016,190.5 199.308,190.792 199.308,191.376 199.784,191.853 R101.1@199.784,192.504
  Bottom Layer w0.254: U25.2@199.775,191.177 199.798,191.2 U25.2@199.8,191.2
  other v1: 190.702,190.8 191.337,190.8 192.023,190.8 190.651,191.562 191.337,191.562 192.023,191.562 192.708,191.562 193.394,191.562 194.08,191.562
GND_HS_Si: C123.2 C127.2 C132.2 C137.2 C138.1 C140.2 C145.1 C191.1 D18.2 D19.2 D21.1 Q3.2 Q3.3-4-5-6-7-8 Q4.9 R96.1 R125.1 R141.1 TP70.1 TP73.1 U24.14 U31.4 | length 43.6
  Top Layer w0.254: v2(154.683,195.8) C191.1@156,195.8 ; R141.1@159,217.4 159.275,217.4 159.348,217.473 159.348,218.084 160.186,218.922 160.186,220.086 160.6,220.5 R125.1@161.45,220.5 ; v2(159,223.887) 159.887,223.887 C137.2@159.9,223.9 ; C137.2@160.2,223.9 R96.1@160.2,222.356 160.225,222.356 160.573,222.008 160.573,221.652 161.45,220.775 R125.1@161.45,220.5 ; C145.1@161.5,216.3 161.5,217.395 161.505,217.4 ; v2(164.163,220.2) 163.963,220 161.675,220 161.505,220.17 161.45,220.225 R125.1@161.45,220.5 ; Q3.2@165.5,222.565 165.5,219.615 Q4.9@168.5,216.615
  Top Layer w0.5: v2(149.657,192.481) 150.564,192.481 U31.4@150.595,192.45 ; D21.1@151.375,214.641 151.641,214.641 v2(152,215) 152,216.075 152.225,216.3 TP73.1@153,216.3 ; D19.2@152,200.637 151.8,200.837 C127.2@151.8,203 152.639,203 153.421,202.219 153.564,202.362 D18.2@154.5,202.362 ; v2(154.156,214.576) 154.156,213.343 C132.2@154.199,213.3 ; C140.2@154.279,209.4 154.429,209.55 v5(155.45,209.55) ; C191.1@156,195.8 156.111,195.689 v2(157.003,195.689) ; v2(160.043,197.14) 160.022,197.119 160.022,196.774 159.8,196.551 C123.2@159.8,196 C138.1@159.8,194.5 159.8,193.3 160.095,193.005 U24.14@160.095,191.875 ; 161.505,217.4 TP70.1@161.505,218.177 R125.1@161.505,220.17
  other v2: 151.8,201.919 153.03,202.609 164.163,214.132 164.86,214.132 165.597,214.132 166.345,214.132 167.043,214.132 167.74,214.132 168.477,214.132 169.225,214.132 169.923,214.132 170.66,214.132 171.357,214.132 172.094,214.132 172.842,214.132 164.163,214.806 164.86,214.806 165.597,214.806 166.345,214.806 167.043,214.806 167.74,214.806 168.477,214.806 169.225,214.806 169.923,214.806 170.66,214.806 171.407,214.806 172.094,214.806 172.842,214.806 164.163,215.481 164.86,215.481 165.597,215.481 166.345,215.481 167.043,215.481 167.74,215.481 168.477,215.481 169.225,215.481 169.923,215.481 170.66,215.481 171.407,215.481 172.094,215.481 172.842,215.481 164.163,216.155 164.86,216.155 165.597,216.155 166.345,216.155 167.043,216.155 167.74,216.155 168.477,216.155 169.225,216.155 169.923,216.155 170.66,216.155 171.407,216.155 172.144,216.155 172.842,216.155 164.163,216.829 164.86,216.829 165.597,216.829 166.345,216.829 167.043,216.829 167.74,216.829 168.477,216.829 169.225,216.829 169.923,216.829 170.709,216.829 171.407,216.829 172.144,216.829 172.891,216.829 164.163,217.503 164.86,217.503 165.597,217.503 166.345,217.503 167.043,217.503 168.477,217.503 169.225,217.503 169.923,217.503 170.66,217.503 171.407,217.503 172.144,217.503 172.891,217.503 164.163,218.177 164.86,218.177 165.597,218.177 166.345,218.177 167.78,218.177 168.527,218.177 169.225,218.177 169.962,218.177 170.66,218.177 171.407,218.177 172.144,218.177 172.891,218.177 164.163,218.852 164.86,218.852 165.597,218.852 167.043,218.852 167.78,218.852 168.527,218.852 169.225,218.852 169.962,218.852 170.709,218.852 171.407,218.852 172.144,218.852 172.891,218.852 164.163,219.526 164.86,219.526 166.345,219.526 167.043,219.526 167.78,219.526 168.527,219.526 169.225,219.526 169.962,219.526 170.709,219.526 171.407,219.526 172.144,219.526 172.891,219.526 164.86,220.2 166.345,220.2 167.043,220.2 167.78,220.2 168.527,220.2 169.225,220.2 169.962,220.2 170.709,220.2 171.407,220.2 172.144,220.2 172.891,220.2
GND_HV: C49.2 C50.2 C51.2 C52.2 C62.2 C63.2 C64.2 C65.2 C66.2 C67.2 C68.2 C69.2 C88.1 C89.1 C90.1 C91.1 C92.2 C93.2 C94.2 C97.2 C98.2 C112.2 D4.2 J15.1 L3.1 R64.1 R140.1 R143.1 R184.1 T2.5 TP13.1 TP55.1 U12.18 U12.19 U12.20 U12.21 U12.22 U12.23 U12.24 U12.25 U12.26 U12.28 U12.29 U12.30 U12.31 U12.32 U12.33 U12.34 U12.35 U12.36 U12.37 U12.38 U12.39 U13.2 U13.8 | length 42.6
  Top Layer w0.2: v1(166.47,120.525) 166.47,121.297 C112.2@166.473,121.3 ; v1@166.52,116.2 v1@166.601,116.2 ; v1(167.001,118.8) 167,118.875 168,119.875 R184.1@168,119.9 ; L3.1@167.976,124.35 168,124.374 v1(168,125.1) ; U13.2@170.026,128.96 170.026,127.002 C98.2@170.178,126.85 170.437,126.591 v1(170.988,126.591) ; v1(170.251,124.85) C92.2@170.251,125.601 ; C97.2@171.792,120.375 171.792,120.465 172.327,121 173,121 174.638,121 175.228,121.59 175.381,121.59 175.738,121.947 D4.2@175.738,122.1 175.738,122.252 D4.2@175.381,122.61 ; C97.2@172,120.3 172.1,120.2 v1(172.7,120.2) ; v1@173.2,119.619 v1(173.2,119.7) ; C94.2@173.451,125.875 175.476,125.875 ; v1(175.51,126.591) 175.51,125.91 175.476,125.875 ; C93.2@176.201,125.875 175.476,125.875 ; v1(177.646,127.275) U13.8@177.646,128.96
  Top Layer w0.254: R143.1@204.961,130.55 206.539,130.55 209.993,127.096 209.993,126.17 209.665,125.843 R140.1@208.85,125.843
  Top Layer w0.5: T2.5@159.74,122.2 162.3,122.2 163.569,123.469 166.361,123.469 v1(166.47,123.36) ; C49.2@200.8,129.8 200.8,130.7 C49.2@201.4,131.3
  Layer 1 w0.2: 167.47,120.525 167.47,119.662 167.601,119.531 167.601,119.45
  Layer 1 w0.5: 167.47,120.525 168.676,121.731 168.676,123.305 168,123.98 v1(168,125.1)
  other v1: 201.6,69.8 201.6,70.8 201.6,71.8 201.6,72.8 201.6,73.8 201.6,74.8 201.6,75.8 201.6,76.8 201.6,77.8 201.6,78.8 201.6,79.8 201.6,80.8 201.6,81.8 201.6,82.8 201.6,83.8 201.6,84.8 201.6,85.8 201.6,86.8 201.6,87.8 201.6,88.8 201.6,89.8 201.6,90.8 201.6,91.8 201.6,92.8 201.6,93.8 201.6,94.8 202.2,101.1 202.7,101.1 202.2,103.7 202.7,103.7 202.2,106.5 202.7,106.5 202.2,109.1 202.7,109.1 166.501,111.325 167.001,111.325 202.2,111.7 202.7,111.7 166.501,112.3 167.001,112.3 166.501,112.95 167.001,112.95 166.501,113.6 167.001,113.6 202.2,114.2 202.7,114.2 166.501,114.25 167.001,114.25 166.501,114.9 167.001,114.9 166.501,115.55 167.001,115.55 166.501,116.2 167.001,116.2 202.2,116.7 202.7,116.7 166.501,116.85 167.001,116.85 166.501,117.5 167.001,117.5 166.501,118.15 167.001,118.15 166.501,118.8 202.2,119.3 202.7,119.3 172.7,119.7 173.7,119.7 173.2,120.2 173.7,120.2 202.2,121.8 202.7,121.8 202.2,124.4 202.7,124.4 202.2,125.7 202.7,125.7 202.2,127 202.7,127 202.2,128.5 202.7,128.5 202.2,129.8 202.7,129.8 202.2,131.1 202.7,131.1
GND_LS_Si: C150.1 C156.2 C162.1 C163.1 L7.1 Q4.2 R111.1 U24.9 | length 17
  Top Layer w0.254: C162.1@162.779,205.8 163.079,205.5 v2(163.079,204.6) ; U24.9@166.445,191.875 166.445,193.77 C150.1@165.975,194.24 166.16,194.425 L7.1@168.075,194.425
  Top Layer w0.3: Q4.2@165.5,208.565 165.636,208.429 165.636,207.182 165.943,206.875 166.457,206.875 167.05,206.282 167.05,206.225 167.275,206 C156.2@167.3,206 ; v2(168.4,205.956) 167.344,205.956 C156.2@167.3,206 ; v2(168.458,203.971) 167.329,203.971 R111.1@167.3,204 C156.2@167.3,206
  Top Layer w0.5: C150.1@165.975,194.24 C163.1@165.975,195.95 165.98,195.955 v2(167.151,195.955)
  Layer 1 w0.254: 163.665,204.5 163.765,204.6
  other v2: 167.118,191.756 167.118,192.45
GND_VM_HV: C184.1 C185.1 C186.1 C187.1 C188.1 C189.1 R136.1 R139.2 U28.2 U28.7 U28.8 | length 27.8
  Top Layer w0.254: R139.2@101.675,199.684 101.723,199.637 v2(101.723,198.577) ; C188.1@110.654,198.941 C188.1@110.654,199.154
  Top Layer w0.3: v2(101.723,196.996) C184.1@102.999,196.996 ; C184.1@102.909,196.906 U28.8@102.909,194.816 103.054,194.961 C184.1@103.054,196.941 104.179,195.816 U28.7@104.179,194.816
  Top Layer w0.5: R136.1@102.675,201.92 102.498,201.92 102.048,201.47 102.048,200.815 101.675,200.442 R139.2@101.675,199.684 103.068,199.684 v2(103.625,200.241) C185.1@105.354,200.241 C186.1@106.854,200.241 107.034,200.421 v2(107.034,201.416) ; U28.2@110.529,194.816 110.529,195.787 111.054,196.312 C189.1@111.054,197.441 111.054,198.541 C188.1@110.654,198.941 ; C188.1@110.654,199.154 C187.1@110.654,200.941 v2(110.654,201.92)
  Layer 2 w0.5: v2(101.723,196.996) v2(101.723,198.577)
  other v2: 110.898,196.156
GRID_GND: J9.1 J18.1 MP5.1 R118.2 R119.1 TP58.1
  other v2: 59.247,158.835 59.984,158.835 60.682,158.835 59.247,159.509 59.984,159.509 60.682,159.509 59.247,160.183 59.984,160.183 60.682,160.183 59.247,160.857 59.984,160.857 60.682,160.857 59.247,161.531 59.984,161.531 60.682,161.531 59.247,162.206 59.984,162.206 60.682,162.206 59.247,162.88 59.984,162.88 60.682,162.88 59.247,163.554 59.984,163.554 60.682,163.554 59.247,164.228 59.984,164.228 60.682,164.228 59.247,164.902 59.984,164.902 60.682,164.902 59.247,165.577 59.984,165.577 60.682,165.577 59.247,166.251 59.984,166.251 60.682,166.251 59.247,166.925 59.984,166.925 60.682,166.925 59.247,167.599 59.984,167.599 60.682,167.599 59.247,168.273 59.984,168.273 60.682,168.273 59.247,168.948 59.984,168.948 60.682,168.948 59.247,169.622 59.984,169.622 60.682,169.622 59.247,170.296 59.984,170.296 60.682,170.296
GRID_GND_1: C169.1 C170.2 MP9.1
GRID_GND_2: C167.1 C168.2 MP10.1
HI_BOOST1: J2.56 R12_A.1 | length 18.4
  Top Layer w0.2: J2.56@91.743,146.522 91.743,146.172 92.176,145.739 92.592,145.739 93.693,144.638 93.693,137.224 93.613,137.144 v1(93.613,137.042)
  Bottom Layer w0.2: R12_A.1@87.561,135.866 87.586,135.891 v1(87.586,136.566) 88.18,137.16 89.593,137.16 90.479,138.046 91.162,138.046 91.2,138.084 91.826,138.084 92.868,137.042 v1(93.613,137.042)
HI_BOOST2: J2.55 R12_B.1 | length 32.3
  Top Layer w0.2: v1(87.586,115.466) 88.849,115.466 88.966,115.583 88.966,116.846 89.745,117.626 89.745,133.202 89.445,133.502 v1(89.445,134.9) ; v1(91.495,135.78) 91.495,135.861 91.793,136.159 91.793,137.724 91.093,138.424 91.093,139.95 91.743,140.6 J2.55@91.743,143.122
  Bottom Layer w0.2: R12_B.1@87.561,114.766 87.586,114.791 v1(87.586,115.466) ; v1(89.445,134.9) 90.616,134.9 v1(91.495,135.78)
HI_BOOST3: J2.51 R12_C.1 | length 50.9
  Top Layer w0.2: v1(87.586,94.366) 88.4,95.18 88.4,107.482 89.853,108.935 89.853,116.602 90.545,117.294 90.545,135.98 90.143,136.382 J2.51@90.143,143.122
  Bottom Layer w0.2: R12_C.1@87.561,93.666 87.586,93.691 v1(87.586,94.366)
HI_BOOST4: J2.52 R12_D.1 | length 78.7
  Top Layer w0.2: v1(87.586,73.266) 87.586,77.037 87.497,77.125 87.497,79.432 88.113,80.047 88.113,80.138 89.143,81.169 89.143,85.843 89.725,86.425 89.725,89.72 89.2,90.245 89.2,107.013 90.667,108.48 90.667,112.382 90.7,112.415 90.7,116.318 91.345,116.963 91.345,134.852 92.193,135.7 92.193,139.678 92.8,140.285 92.8,144.4 92.4,144.8 90.7,144.8 90.143,145.357 J2.52@90.143,146.522
  Bottom Layer w0.2: R12_D.1@87.561,72.566 87.586,72.591 v1(87.586,73.266)